# Altium PCB Evaluation Board.PcbDoc (part 3 of 22)
Units mm, origin at the board's own origin, x right, y up, seen from the top; angles counter-clockwise.
Board outline 200 x 200 mm, 4 copper layers (Top Layer, GND, Power, Bottom Layer), stack 1.56 mm thick; 639 components, 758 nets, 3043 pads, 1306 vias.
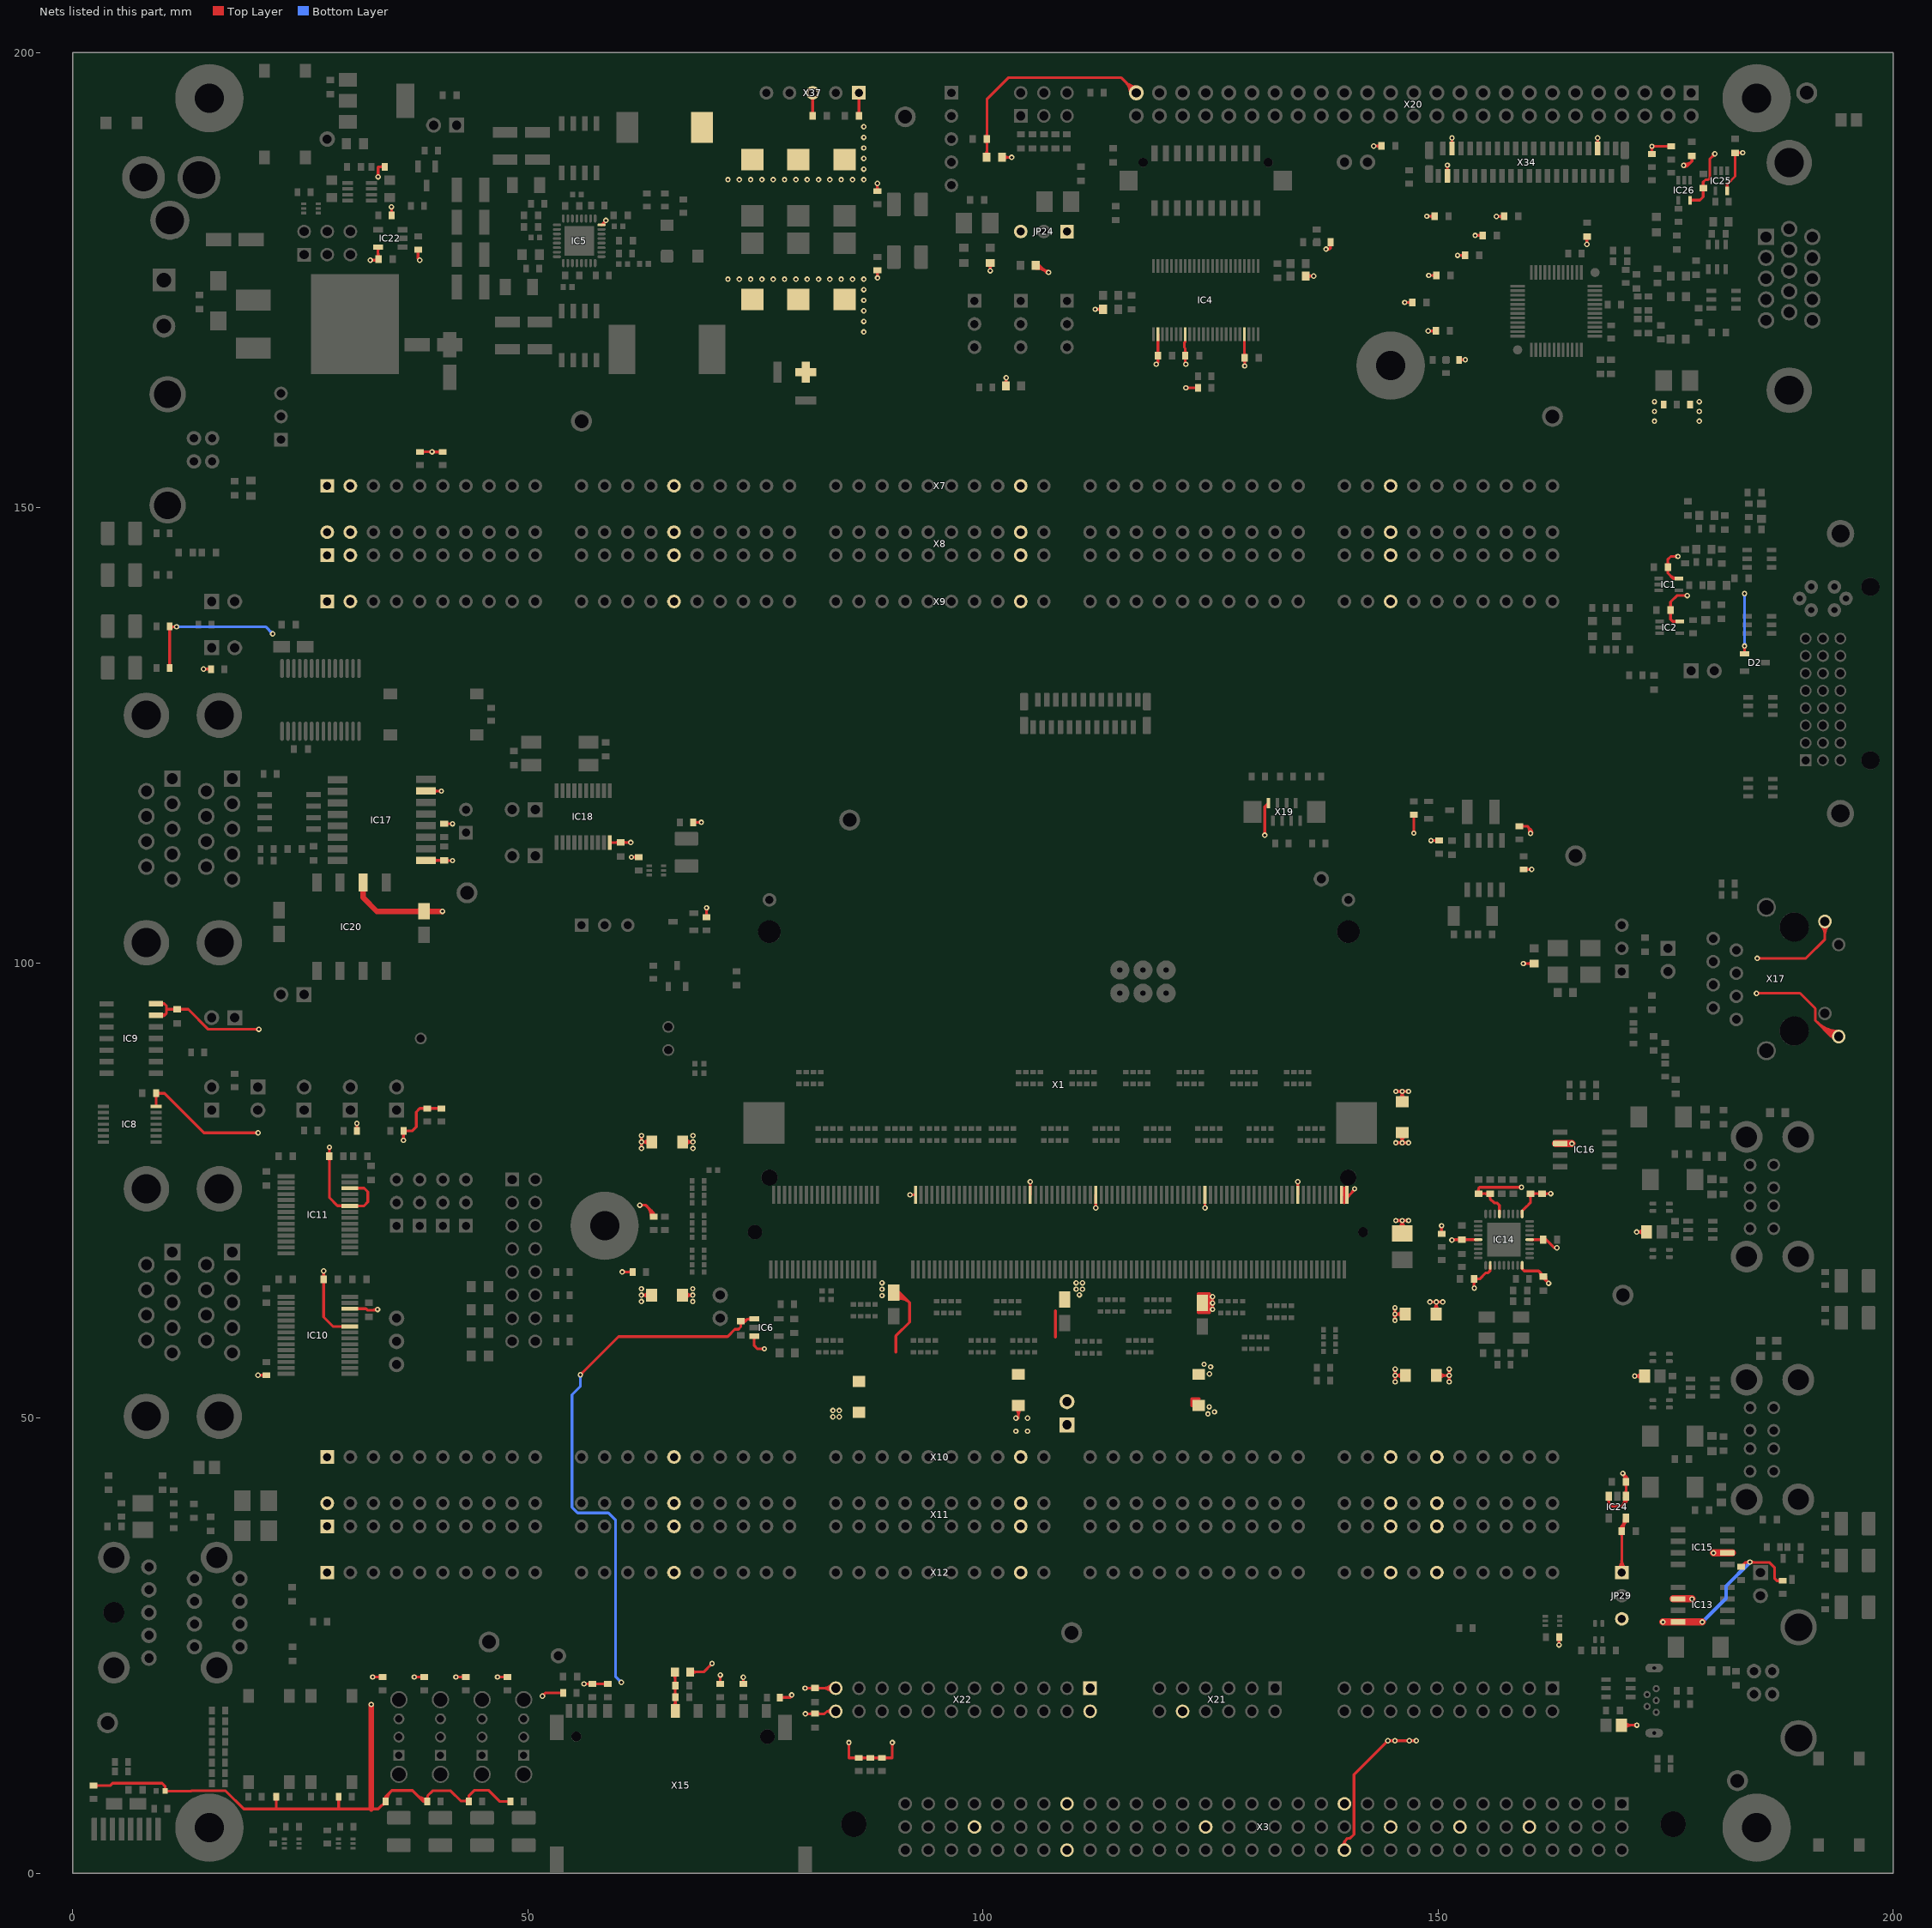
[diagram p5: the nets of this part, all layers, seen from the top]

## Part data (continued)
X2 X25: library part CON-NorComp-178-009-613R571, "RS232 Connector 9 pins male"
X3: library part CON-Auk-UC3X32SD-H, "Header Female 3x32 pin 2.54mm"
X4: library part CON-Samtec-SSW-103-01-G-D, "Header Female, 2x3 Pins, 2.54mm pitch"
X5: "DVI Connector"
X6: library part CON-Hirose-FH12-24S-0.5SV(55)-0.5mm, "0.50mm Pitch FFC/FPC Vertical DVI Connector"
X7 X9 X10 X12: library part CON-Samtec-SSW-110-01-G-S, "Header 1x50 pin 2.54mm pitch"
X8 X11: library part CON-Samtec-TSW-110-07-G-D, "Header 2x50 pin 2.54mm pitch"
X13: library part CON-Sullins-SBH11-PBPC-D10-ST-GR, "Header shrouded male, 2x10 pin 2.54mm pitch"
X14: library part CON-Samtec-TSW-108-07-G-D, "Header Male, 2x8 Pins, 2.54mm pitch"
X15: library part CON-Cenlink-M90-03011-03YD, "SD/MMC Card Holder"
X16: library part CON-Samtec-TSW-103-07-G-D, "Header Male, 2x3 Pins, 2.54mm pitch"
X17: library part CON-Pulse-J00-0065NL, "RJ45 Connector"
X18: "LVDS Connector"
X19: library part CON-GCT-FFC2A30-08-T-L-0.5mm, "0.50mm Pitch FFC/FPC JTAG Connector Vertical"
X20: library part CON-Samtec-TSW-125-07-G-D, "Header, 2x25 Pins, 2.54 mm pitch"
X21: library part CON-Samtec-SSW-106-01-G-D, "Header Female, 2x6 Pins, 2.54 mm pitch"
X22: library part CON-Samtec-TSW-112-07-G-D, "Header male, 2x12 Pins, 2.54 mm pitch"
X23: library part CON-3M-961105-6404-AR, "Audio Header 5 pins 2.54mm"
X24: library part CON-AUK-HDR15SN-H, "15 pin male D-SUB connector"
X26: library part CON-AUK-PJ3X01RF04B-H, "3x Audiojack stereo, 3.5mm"
X27 X29: library part CON-FCI-61729-0010BLF, "USB Type B Connector"
X28: "JTAG Pogo pins"
X30: "Micro USB OTG Connector - TH - Vertical"
X31 X32: library part CON-MMMC-896-43-008-90-000000, "USB 2.0 double row, Type A"
X33: library part CON-AUK-TB5102PRB-H-1x2-50.8mm, "Power Connector"
X34: library part CON-Hirose-FH12-40S-0.5SV(55)-0.5mm, "0.50mm Pitch FFC/FPC Vertical RGB connector"
X35: library part CON-SWC-RAPC722X, "Power Jack"
X36: "Vishay TFDU4101 Infrared Transceiver"
X37: library part CON-Tyco-826936-5-1X4-2.54mm, "Header, 5-Pin"
X38: library part CON-Samtec-SSW-102-01-G-S, "Receptacle Female, 1x2 Pins, 2.54 mm pitch"

## Via types
v1: diameter 0.6, hole 0.3, Top Layer to Bottom Layer, 1222 vias
v2: diameter 0.6, hole 0.3, Top Layer to Bottom Layer, tented both sides, 84 vias

## Nets (pads, with @x,y where several pads share a name; then routed paths per layer and width w, separated by ;. In a path a pad name is that pad's centre, name@x,y a point inside that pad or via, vN(x,y) a via of type N, cw(c..) or ccw(c..) an arc to the next point about the centre after c; other vN are vias at no path point)
1.8V: C83.2 IC24.5 JP29.1 | length 12.2
  Top Layer w0.3: JP29.1@169.756,33.444 ccw(c168.731,34.469) 170.18,34.469 ccw(c171.629,34.469) JP29.1@170.604,33.444 ; C83.2@170.009,37.376 cw(c169.595,36.962) 170.18,36.962 ; C83.2@170.029,37.826 ccw(c169.799,38.13) 170.18,38.13 ; C83.2@170.051,37.652 cw(c170.655,37.742) 170.223,38.173 ; JP29.1@170.18,33.02 170.18,37.445 170.18,38.13 ; 170.18,37.107 cw(c170.56,37.107) C83.2@170.291,37.376 ; 170.18,38.077 ccw(c170.56,38.077) C83.2@170.291,37.808 ; C83.2@170.348,37.696 cw(c171.39,37.85) IC24.5@170.645,38.595 ; IC24.5@170.446,38.848 cw(c169.532,38.778) 170.18,38.13 ; IC24.5@170.645,39.014 IC24.5@170.645,38.595 ; 170.18,38.13 IC24.5@170.645,38.595
3.3V: C35.2 C36.2 C37.2 C38.2 C39.2 C40.2 C41.2 C42.2 C43.2 C44.2 C52.2 C53.2 C54.2 C62.1 C84.1 C85.1 C86.1 C97.1 C98.2 C99.2 C131.2 C132.2 C133.2 C134.2 C135.2 C136.2 C137.2 C138.2 C159.1 C160.2 C170.1 C173.2 C175.2 C177.2 IC4.2 IC4.8 IC4.21 IC5.8 IC6.3 IC8.14 IC9.13 IC9.14 IC10.23 IC10.26 IC11.23 IC11.26 IC13.4 IC14.5 IC14.10 IC14.15 IC14.23 IC14.29 IC14.36 IC17.1 IC17.7 IC18.20 IC22.5 IC24.1 IC24.3 JP24.1 JP25.1 JP29.3 L10.1 L13.1 L16.1 L17.1 L21.2 L25.2 L47.1 R14.1 R15.1 R27.2 R30.1 R31.1 R45.2 R46.2 R47.2 R48.2 R50.2 R51.2 R52.2 R53.2 R54.2 R55.2 R60.2 R63.1 R64.2 R65.1 R70.2 R71.1 R77.2 R84.2 R90.1 R101.2 R104.1 R105.1 R108.2 R118.2 R119.2 R120.2 R124.2 R127.2 R130.2 R135.2 R136.1 R137.1 R138.2 R139.2 R140.2 R141.2 R142.2 R143.2 R147.1 R152.2 R153.2 R155.2 R159.1 R160.1 R161.1 R162.1 R163.1 R164.1 R165.1 R166.1 R167.1 R168.2 R169.2 R170.2 R174.1 R177.2 R178.2 X3.A13 X3.B5 X3.B8 X3.B11 X3.C13 X7.1 X7.2 X7.15 X7.29 X7.43 X8.A1 X8.A2 X8.A15 X8.A29 X8.A43 X8.B1 X8.B2 X8.B15 X8.B29 X8.B43 X9.1 X9.2 X9.15 X9.29 X9.43 X10.1 X10.15 X10.29 X10.43 X10.45 X11.A1 X11.A15 X11.A29 X11.A43 X11.A45 X11.B1 X11.B15 X11.B29 X11.B43 X11.B45 X12.1 X12.15 X12.29 X12.43 X12.45 X17.9 X17.12 X19.8 X21.10 X22.1 X22.2 X22.23 X34.3 X34.4 X34.36 X37.3 | length 532.5
  Top Layer w0.3: R147.1@2.278,9.615 4.09,9.615 4.35,9.875 9.8,9.875 10.124,9.551 R174.1@10.124,9.019 12.994,9.019 13.025,9.05 16.775,9.05 18.775,7.05 29.2,7.05 ; R147.1@2.502,9.491 cw(c2.801,9.193) 2.801,9.615 cw(c2.801,10.037) R147.1@2.502,9.739 ; C177.2@9.002,85.459 cw(c8.661,85.117) 9.144,85.117 cw(c9.627,85.117) C177.2@9.285,85.459 ; IC9.14@9.105,95.509 10.038,95.509 10.272,95.275 10.272,94.45 ; IC8.14@9.144,84.225 C177.2@9.144,85.675 10.056,85.675 ; IC9.13@9.166,94.178 10,94.178 ; C177.2@9.285,85.534 cw(c9.627,85.192) 9.627,85.675 cw(c9.627,86.158) C177.2@9.285,85.816 ; IC9.13@9.655,94.369 ccw(c9.91,94.811) 10.272,94.45 ; IC9.14@9.686,95.403 cw(c9.942,95.147) 9.942,95.509 cw(c9.942,95.871) IC9.14@9.686,95.615 ; IC9.13@9.7,94.329 ccw(c10,94.552) 10,94.178 ; R174.1@10.029,9.139 ccw(c9.798,9.37) 10.124,9.37 ccw(c10.45,9.37) R174.1@10.219,9.139 ; 10.062,85.669 10.056,85.675 ; R174.1@10.219,8.924 cw(c10.45,8.693) 10.45,9.019 cw(c10.45,9.345) R174.1@10.219,9.114 ; 10.272,94.9 C97.1@11.447,94.9 12.675,94.9 14.875,92.7 v1(20.425,92.7) ; R104.1@10.507,132.628 ccw(c10.209,132.927) 10.631,132.927 ccw(c11.054,132.927) R104.1@10.755,132.628 ; R105.1@10.507,136.752 cw(c10.209,136.454) 10.631,136.454 cw(c11.054,136.454) 10.755,136.752 cw(c11.171,136.336) v1@11.171,136.925 ; R104.1@10.631,132.404 R105.1@10.631,136.976 10.682,136.925 v1(11.375,136.925) ; C97.1@11.231,94.759 ccw(c10.889,94.417) 10.889,94.9 ccw(c10.889,95.383) C97.1@11.231,95.041 ; C97.1@11.663,94.759 cw(c12.005,94.417) 12.005,94.9 cw(c12.005,95.383) C97.1@11.663,95.041 ; v1@20.244,81.219 ccw(c19.988,80.963) 19.988,81.325 ccw(c19.988,81.687) v1@20.244,81.431 ; v1@20.319,92.594 ccw(c20.063,92.338) 20.063,92.7 ccw(c20.063,93.062) v1@20.319,92.806 ; v1@20.346,54.706 R63.1@21.247,54.706 ; v1(20.35,81.325) 14.4,81.325 10.056,85.669 10.056,85.675 ; R63.1@21.023,54.582 ccw(c20.724,54.283) 20.724,54.706 ccw(c20.724,55.128) R63.1@21.023,54.83 ; R153.2@22.175,8.545 R153.2@22.338,8.382 22.338,7.05 ; R153.2@22.214,8.158 cw(c21.915,7.86) 22.338,7.86 cw(c22.76,7.86) R153.2@22.462,8.158 ; C98.2@27.415,65.026 cw(c27.073,64.685) 27.556,64.685 cw(c28.039,64.685) C98.2@27.697,65.026 ; C98.2@27.415,65.459 ccw(c27.073,65.801) 27.556,65.801 ccw(c28.039,65.801) C98.2@27.697,65.459 ; v1(27.556,66.15) 27.556,61.085 28.586,60.056 IC10.23@30.419,60.056 ; C99.2@28.015,78.524 cw(c27.613,78.122) 28.181,78.122 ; C99.2@28.015,78.956 ccw(c27.613,79.358) 28.181,79.358 ; v1@28.075,79.648 cw(c27.819,79.392) 28.181,79.392 cw(c28.543,79.392) v1@28.287,79.648 ; 28.181,78.242 cw(c28.579,78.242) C99.2@28.297,78.524 ; 28.181,79.238 ccw(c28.579,79.238) C99.2@28.297,78.956 ; v1(28.181,79.754) 28.181,74.203 29.068,73.316 IC11.23@30.419,73.316 ; R130.2@29.072,8.158 cw(c28.773,7.859) 29.196,7.859 cw(c29.618,7.859) R130.2@29.32,8.158 ; R130.2@29.196,8.382 29.196,7.054 29.2,7.05 ; 29.487,73.316 cw(c29.487,73.063) IC11.23@29.666,73.242 ; IC10.26@30.419,62.006 31.819,62.006 31.825,62 32.2,62 32.35,61.85 33.4,61.85 v1(33.475,61.925) ; IC11.23@30.419,73.295 31.97,73.295 32.4,73.725 32.4,74.848 32.003,75.245 IC11.26@30.419,75.245 ; R64.2@31.081,81.758 ccw(c30.783,82.056) 31.205,82.056 ccw(c31.628,82.056) R64.2@31.329,81.758 ; v1(31.2,82.375) 31.202,82.375 31.205,82.372 R64.2@31.205,81.534 ; v1(32.675,177.2) 33.499,177.2 C170.1@33.591,177.292 33.524,177.359 IC22.5@33.524,178.628 ; v1(32.775,18.525) v1(32.775,18.525) ; v1@32.781,177.094 cw(c33.037,176.838) 33.037,177.2 cw(c33.037,177.562) v1@32.781,177.306 ; v1(32.931,21.553) R152.2@34.036,21.553 ; 32.932,61.85 ccw(c32.932,62.468) v1@33.369,62.031 ; v1@33.037,21.447 cw(c33.293,21.191) 33.293,21.553 cw(c33.293,21.915) v1@33.037,21.659 ; 33.067,177.2 ccw(c33.067,177.741) C170.1@33.45,177.358 ; 33.149,177.2 cw(c33.149,176.775) C170.1@33.45,177.076 ; IC22.5@33.418,178.522 cw(c33.162,178.266) 33.524,178.266 cw(c33.886,178.266) IC22.5@33.63,178.522 ; v1@33.419,186.456 ccw(c33.163,186.712) 33.525,186.712 ccw(c33.887,186.712) v1@33.631,186.456 ; 33.524,178.012 ccw(c34.236,178.012) C170.1@33.733,177.508 ; v1(33.525,186.35) 33.525,187.4 33.577,187.452 R137.1@34.253,187.452 ; R152.2@33.812,21.429 ccw(c33.514,21.131) 33.514,21.553 ccw(c33.514,21.976) R152.2@33.812,21.677 ; 33.895,7.405 cw(c34.364,6.935) R127.2@34.364,7.599 ; R137.1@34.129,187.328 ccw(c33.831,187.03) 33.831,187.452 ccw(c33.831,187.874) R137.1@34.129,187.576 ; R127.2@34.239,7.974 cw(c34.999,7.974) 34.462,8.512 ; R127.2@34.24,8.098 ccw(c33.941,8.396) 34.364,8.396 ccw(c34.786,8.396) R127.2@34.488,8.098 ; R127.2@34.539,7.974 cw(c36.024,7.974) 34.974,9.024 ; R136.1@34.891,182.342 ccw(c34.593,182.64) 35.015,182.64 ccw(c35.438,182.64) R136.1@35.139,182.342 ; v1(35,183.05) 35.015,183.035 R136.1@35.015,182.118 ; 35.015,182.724 cw(c35.326,182.724) v1@35.106,182.944 ; R65.1@36.197,81.31 cw(c35.899,81.012) 36.321,81.012 cw(c36.744,81.012) R65.1@36.445,81.31 ; v1@36.215,80.611 ccw(c35.959,80.867) 36.321,80.867 ccw(c36.683,80.867) v1@36.427,80.611 ; v1(36.321,80.505) R65.1@36.321,81.534 37.262,81.534 37.719,81.991 37.719,83.617 38.114,84.012 R177.2@40.462,84.012 ; R65.1@36.445,81.41 cw(c36.744,81.112) 36.744,81.534 cw(c36.744,81.956) R65.1@36.445,81.658 ; v1(37.503,21.553) R138.2@38.608,21.553 ; v1@37.609,21.447 cw(c37.865,21.191) 37.865,21.553 cw(c37.865,21.915) v1@37.609,21.659 ; 37.724,8.651 ccw(c38.936,9.863) R124.2@38.936,8.149 ; R77.2@37.798,178.221 cw(c37.5,177.922) 37.922,177.922 cw(c38.345,177.922) R77.2@38.046,178.221 ; R77.2@37.922,178.345 37.922,177.378 v1(38.1,177.2) ; R169.2@38.151,156.134 v1(39.458,156.134) ; 38.236,8.139 ccw(c38.936,8.839) R124.2@38.936,7.849 ; R169.2@38.349,155.998 cw(c38.676,155.672) 38.676,156.134 ; R169.2@38.349,156.246 ccw(c38.62,156.517) 38.62,156.134 ; R138.2@38.384,21.429 ccw(c38.086,21.131) 38.086,21.553 ccw(c38.086,21.976) R138.2@38.384,21.677 ; R178.2@38.714,83.888 ccw(c38.416,83.589) 38.416,84.012 ccw(c38.416,84.434) R178.2@38.714,84.135 ; IC17.1@38.783,111.262 C160.2@40.768,111.262 ; IC17.7@38.783,118.872 v1(40.486,118.872) ; R124.2@38.812,7.75 ccw(c38.513,7.452) 38.513,7.874 ccw(c38.513,8.296) R124.2@38.812,7.998 ; R124.2@38.812,8.098 ccw(c38.419,8.491) 38.975,8.491 ; 38.975,8.302 ccw(c39.264,8.302) R124.2@39.06,8.098 ; R178.2@39.162,83.888 cw(c39.461,83.589) 39.461,84.012 cw(c39.461,84.434) R178.2@39.162,84.135 ; v1@39.352,156.028 ccw(c39.096,155.772) 39.096,156.134 ccw(c39.096,156.496) v1@39.352,156.24 ; v1@39.469,156.122 R170.2@40.64,156.122 ; v1@39.564,156.028 cw(c39.792,155.8) 39.792,156.122 ; v1@39.564,156.24 ccw(c39.848,156.524) 39.848,156.122 ; IC17.1@39.66,111.085 cw(c40.086,110.658) 40.086,111.262 cw(c40.086,111.866) IC17.1@39.66,111.439 ; IC17.7@39.66,118.705 cw(c40.062,118.303) 40.062,118.872 ; IC17.7@39.66,119.059 ccw(c40.11,119.51) 40.11,118.872 ; 40.177,111.262 cw(c40.177,110.701) C160.2@40.574,111.098 ; R177.2@40.238,83.888 ccw(c39.94,83.589) 39.94,84.012 ccw(c39.94,84.434) R177.2@40.238,84.135 ; 40.288,111.262 ccw(c40.288,111.666) C160.2@40.574,111.38 ; v1@40.38,118.766 ccw(c40.124,118.51) 40.124,118.872 ccw(c40.124,119.234) v1@40.38,118.978 ; R170.2@40.416,155.998 ccw(c40.118,155.7) 40.118,156.122 ccw(c40.118,156.545) R170.2@40.416,156.246 ; C160.2@40.791,111.239 v1(41.705,111.239) ; R108.2@40.791,115.279 v1(41.705,115.279) ; C160.2@41.007,111.098 cw(c41.349,110.756) 41.349,111.239 cw(c41.349,111.722) C160.2@41.007,111.38 ; R108.2@41.015,115.155 cw(c41.313,114.857) 41.313,115.279 cw(c41.313,115.702) R108.2@41.015,115.403 ; v1(42.075,21.553) R135.2@43.18,21.553 ; v1@42.181,21.447 cw(c42.437,21.191) 42.437,21.553 cw(c42.437,21.915) v1@42.181,21.659 ; R135.2@42.956,21.429 ccw(c42.658,21.131) 42.658,21.553 ccw(c42.658,21.976) R135.2@42.956,21.677 ; 42.967,7.925 ccw(c42.967,8.515) 43.384,8.098 ccw(c43.085,8.396) 43.508,8.396 ccw(c43.93,8.396) R120.2@43.632,8.098 ; R120.2@43.346,8.04 cw(c43.175,8.109) 43.175,7.925 ; v1(46.647,21.553) R119.2@47.752,21.553 ; v1@46.753,21.447 cw(c47.009,21.191) 47.009,21.553 cw(c47.009,21.915) v1@46.753,21.659 ; R119.2@47.528,21.429 ccw(c47.23,21.131) 47.23,21.553 ccw(c47.23,21.976) R119.2@47.528,21.677 ; R118.2@47.956,7.75 ccw(c47.657,7.452) 47.657,7.874 ccw(c47.657,8.296) R118.2@47.956,7.998 ; R118.2@48.08,7.874 46.926,7.874 45.7,9.1 44.075,9.1 43.508,8.533 R120.2@43.508,7.874 43.226,7.874 43.175,7.925 ; v1(51.575,19.45) 51.937,19.812 R60.2@53.885,19.812 ; v1@51.575,19.6 ccw(c51.575,19.962) 51.831,19.706 ccw(c52.087,19.45) v1@51.725,19.45 ; R60.2@53.761,19.688 ccw(c53.463,19.389) 53.463,19.812 ccw(c53.463,20.234) R60.2@53.761,19.936 ; v1(56.15,20.791) R53.2@57.056,20.791 R54.2@58.756,20.791 ; R53.2@56.832,20.667 ccw(c56.534,20.369) 56.534,20.791 ccw(c56.534,21.213) R53.2@56.832,20.915 ; R53.2@57.28,20.667 cw(c57.578,20.369) 57.578,20.791 cw(c57.578,21.213) R53.2@57.28,20.915 ; IC5.8@58.076,181.074 v1@58.553,181.551 ; IC5.8@58.077,181.052 cw(c58.124,181.055) IC5.8@58.091,181.089 ; IC5.8@58.376,181.074 cw(c58.984,181.12) v1@58.553,181.551 ; R54.2@58.532,20.667 ccw(c58.234,20.369) 58.234,20.791 ccw(c58.234,21.213) R54.2@58.532,20.915 ; v1(58.553,181.559) v1@58.553,181.551 ; IC18.20@58.991,113.228 C159.1@60.198,113.228 v1(61.29,113.228) ; C159.1@59.982,113.087 ccw(c59.64,112.745) 59.64,113.228 ccw(c59.64,113.711) C159.1@59.982,113.369 ; v1(60.344,66.05) R155.2@61.505,66.05 ; C159.1@60.414,113.087 cw(c60.756,112.745) 60.756,113.228 cw(c60.756,113.711) C159.1@60.414,113.369 ; v1@60.45,65.944 cw(c60.706,65.688) 60.706,66.05 cw(c60.706,66.412) v1@60.45,66.156 ; v1@61.184,113.122 ccw(c60.928,112.866) 60.928,113.228 ccw(c60.928,113.59) v1@61.184,113.334 ; v1(61.366,111.608) 61.372,111.613 R55.2@62.151,111.613 ; R155.2@61.381,65.926 ccw(c61.083,65.628) 61.083,66.05 ccw(c61.083,66.472) R155.2@61.381,66.174 ; R55.2@61.927,111.489 ccw(c61.629,111.191) 61.629,111.613 ccw(c61.629,112.035) R55.2@61.927,111.737 ; v1(62.281,73.381) 62.951,73.381 63.8,72.531 R168.2@63.8,72.099 ; v1@62.372,79.731 ccw(c62.116,79.987) 62.478,79.987 ccw(c62.84,79.987) v1@62.584,79.731 ; v1@62.372,80.219 cw(c62.116,79.963) 62.478,79.963 cw(c62.84,79.963) 62.584,80.219 cw(c62.84,79.963) 62.84,80.325 cw(c62.84,80.687) 62.584,80.431 cw(c62.84,80.687) 62.478,80.687 cw(c62.116,80.687) v1@62.372,80.431 ; v1@62.372,80.919 cw(c62.116,80.663) 62.478,80.663 cw(c62.84,80.663) v1@62.584,80.919 ; v1@62.387,73.275 cw(c62.643,73.018) 62.643,73.381 cw(c62.643,73.743) v1@62.387,73.487 ; v1(62.456,63.5) R165.1@63.832,63.5 ; v1(62.478,79.625) v1(62.478,80.325) ; v1(62.478,81.025) v1(62.478,80.325) ; v1@62.562,63.394 cw(c62.818,63.138) 62.818,63.5 cw(c62.818,63.862) v1@62.562,63.606 ; 63.025,73.307 cw(c61.817,72.099) R168.2@63.525,72.099 ; R165.1@63.26,63.182 ccw(c62.492,62.414) 62.492,63.5 ccw(c62.492,64.586) R165.1@63.26,63.818 ; R166.1@63.282,80.007 ccw(c62.514,79.239) 62.514,80.325 ccw(c62.514,81.411) R166.1@63.282,80.643 ; 63.537,72.794 cw(c62.841,72.099) R168.2@63.825,72.099 ; R166.1@63.6,80.325 v1(62.478,80.325) ; R168.2@63.676,72.223 ccw(c63.378,72.521) 63.8,72.521 ccw(c64.222,72.521) R168.2@63.924,72.223 ; L25.2@67.776,22.098 69.298,22.098 v1(70.225,23.025) ; L25.2@68.018,21.896 cw(c68.504,21.41) 68.504,22.098 cw(c68.504,22.786) L25.2@68.018,22.3 ; R139.2@68.137,115.443 v1(69.051,115.443) ; R139.2@68.26,115.319 cw(c68.559,115.021) 68.559,115.443 cw(c68.559,115.865) R139.2@68.26,115.567 ; v1@68.945,115.337 ccw(c68.689,115.081) 68.689,115.443 ccw(c68.689,115.805) v1@68.945,115.549 ; R167.1@69.498,105.145 ccw(c69.199,105.444) 69.621,105.444 ccw(c70.044,105.444) R167.1@69.745,105.145 ; v1@69.515,105.944 cw(c69.259,105.688) 69.621,105.688 cw(c69.984,105.688) v1@69.727,105.944 ; R167.1@69.621,105.021 v1(69.621,106.05) ; v1@70.075,23.025 cw(c69.713,23.025) 69.969,22.769 cw(c70.225,22.513) v1@70.225,22.875 ; R50.2@70.996,20.915 ccw(c70.697,21.213) 71.12,21.213 ccw(c71.542,21.213) R50.2@71.244,20.915 ; v1@71.019,21.669 cw(c70.775,21.425) 71.12,21.425 ; R50.2@71.12,20.791 71.12,21.77 v1(71.125,21.775) ; 71.12,21.401 cw(c71.499,21.401) v1@71.231,21.669 ; R51.2@73.536,20.915 ccw(c73.238,21.213) 73.66,21.213 ccw(c74.082,21.213) R51.2@73.784,20.915 ; v1(73.65,21.525) 73.66,21.515 R51.2@73.66,20.791 ; IC6.3@74.744,58.888 cw(c74.488,58.632) 74.85,58.632 cw(c75.212,58.632) IC6.3@74.956,58.888 ; IC6.3@74.85,58.994 74.85,57.95 75.2,57.6 v1(75.975,57.6) ; v1@75.869,57.494 ccw(c75.613,57.238) 75.613,57.6 ccw(c75.613,57.962) v1@75.869,57.706 ; R52.2@77.687,19.304 78.829,19.304 78.975,19.45 v1(78.975,19.575) ; R52.2@77.811,19.18 cw(c78.109,18.882) 78.109,19.304 cw(c78.109,19.726) R52.2@77.811,19.428 ; 78.683,19.304 ccw(c78.683,19.867) v1@79.081,19.469 ; v1(80.442,20.32) C173.2@81.547,20.32 ; v1@80.548,20.214 cw(c80.804,19.958) 80.804,20.32 cw(c80.804,20.682) v1@80.548,20.426 ; 80.945,20.32 ccw(c80.945,20.847) C173.2@81.318,20.474 ; 81.008,20.32 cw(c81.008,19.882) C173.2@81.318,20.192 ; C62.1@81.126,193.256 ccw(c80.753,193.629) 81.28,193.629 ; C62.1@81.28,193.053 X37.3@81.28,195.58 ; 81.28,193.566 ccw(c81.718,193.566) C62.1@81.408,193.256 ; C173.2@81.534,20.333 C173.2@81.547,20.32 ; C173.2@81.75,20.192 cw(c82.06,19.882) 82.06,20.32 ; C173.2@81.75,20.474 ccw(c82.123,20.847) 82.123,20.32 ; X22.23@83.396,19.896 ccw(c82.371,18.871) 82.371,20.32 ccw(c82.371,21.769) X22.23@83.396,20.744 ; X22.23@83.82,20.32 C173.2@81.547,20.32 ; v1@85.149,14.244 cw(c84.893,13.988) 85.255,13.988 cw(c85.617,13.988) v1@85.361,14.244 ; v1@85.255,14.33 85.255,12.663 R143.2@86.36,12.663 R142.2@87.63,12.663 R141.2@88.9,12.663 90.005,12.663 90.025,12.683 v1(90.025,14.35) ; R143.2@86.136,12.539 ccw(c85.838,12.241) 85.838,12.663 ccw(c85.838,13.086) R143.2@86.136,12.787 ; R143.2@86.584,12.539 cw(c86.882,12.241) 86.882,12.663 cw(c86.882,13.086) R143.2@86.584,12.787 ; v1@86.893,191.821 v1@86.944,191.872 ; R142.2@87.406,12.539 ccw(c87.108,12.241) 87.108,12.663 ccw(c87.108,13.086) R142.2@87.406,12.787 ; R142.2@87.854,12.539 cw(c88.152,12.241) 88.152,12.663 cw(c88.152,13.086) R142.2@87.854,12.787 ; R31.1@88.268,184.9 ccw(c87.994,185.174) 88.382,185.174 ; v1@88.286,185.52 cw(c88.054,185.288) 88.382,185.288 ; R31.1@88.382,184.769 88.382,185.616 v1(88.392,185.626) ; 88.382,185.223 ccw(c88.839,185.223) R31.1@88.516,184.9 ; R141.2@88.676,12.539 ccw(c88.378,12.241) 88.378,12.663 ccw(c88.378,13.086) R141.2@88.676,12.787 ; R141.2@89.124,12.539 cw(c89.422,12.241) 89.422,12.663 cw(c89.422,13.086) R141.2@89.124,12.787 ; v1@89.919,14.244 cw(c89.663,13.988) 90.025,13.988 cw(c90.387,13.988) v1@90.131,14.244 ; L47.1@102.038,188.488 v1(103.137,188.488) ; L47.1@102.28,188.286 cw(c102.766,187.8) 102.766,188.488 cw(c102.766,189.176) L47.1@102.28,188.69 ; v1@103.031,188.382 ccw(c102.775,188.126) 102.775,188.488 ccw(c102.775,188.85) v1@103.031,188.594 ; R163.1@103.568,51.068 cw(c102.8,50.3) 103.886,50.3 cw(c104.972,50.3) R163.1@104.204,51.068 ; v1@103.706,49.844 ccw(c103.272,50.278) 103.886,50.278 ; v1@103.886,49.961 R163.1@103.886,51.386 ; L13.1@105.779,176.587 cw(c105.839,175.649) 106.503,176.314 ; L13.1@105.78,176.637 106.18,176.637 v1@106.973,175.844 ; L13.1@105.798,176.288 cw(c105.895,174.766) v1@106.973,175.844 ; 106.564,176.253 ccw(c107.188,176.876) v1@107.188,175.994 ; v1(107.188,175.844) v1@106.973,175.844 ; v1(112.32,171.793) L17.1@113.221,171.793 ; L17.1@112.979,171.591 ccw(c112.493,171.105) 112.493,171.793 ccw(c112.493,172.481) L17.1@112.979,171.994 ; v1(119.024,165.76) 119.21,165.946 C54.2@119.21,166.726 IC4.2@119.21,169.046 ; C54.2@119.069,166.509 cw(c118.727,166.168) 119.21,166.168 cw(c119.693,166.168) C54.2@119.351,166.509 ; C54.2@119.069,166.942 ccw(c118.727,167.283) 119.21,167.283 ccw(c119.693,167.283) C54.2@119.351,166.942 ; C53.2@122.069,166.509 cw(c121.727,166.168) 122.21,166.168 cw(c122.693,166.168) C53.2@122.351,166.509 ; C53.2@122.069,166.942 ccw(c121.727,167.283) 122.21,167.283 ccw(c122.693,167.283) C53.2@122.351,166.942 ; IC4.8@122.21,168.446 cw(c121.849,168.37) 122.11,168.109 ; IC4.8@122.21,169.046 122.21,168.209 122.11,168.109 ; v1(122.275,163.175) 123.634,163.175 R27.2@123.639,163.17 ; v1(122.276,165.76) 122.21,165.826 C53.2@122.21,166.726 122.21,167.502 122.11,167.602 122.11,168.109 ; v1@122.381,163.069 cw(c122.637,162.813) 122.637,163.175 cw(c122.637,163.537) v1@122.381,163.281 ; 122.936,51.349 122.936,52.106 123.741,52.106 ; 123.203,163.175 cw(c123.203,162.734) R27.2@123.515,163.046 ; 123.23,163.175 ccw(c123.23,163.579) R27.2@123.515,163.293 ; C52.2@128.604,166.255 cw(c128.262,165.914) 128.745,165.914 cw(c129.228,165.914) C52.2@128.886,166.255 ; C52.2@128.604,166.688 ccw(c128.347,166.945) 128.71,166.945 ; 128.71,167.114 ccw(c129.312,167.114) C52.2@128.886,166.688 ; IC4.21@128.71,169.046 128.71,166.507 C52.2@128.745,166.472 v1(128.745,165.571) ; v1@130.844,114.131 ccw(c130.588,114.387) 130.95,114.387 ccw(c131.312,114.387) v1@131.056,114.131 ; v1(130.95,114.025) 130.95,117.165 X19.8@131.346,117.561 ; L16.1@135.42,175.454 v1(136.321,175.454) ; L16.1@135.662,175.252 cw(c136.148,174.766) 136.148,175.454 cw(c136.148,176.142) L16.1@135.662,175.655 ; v1(137.675,178.4) 138.05,178.4 138.165,178.515 ; v1@137.778,178.509 ccw(c137.968,178.712) 138.165,178.515 ; v1@137.781,178.294 cw(c138.037,178.038) 138.037,178.4 cw(c138.037,178.762) v1@137.781,178.506 ; R30.1@138.041,178.948 cw(c137.742,178.649) 138.165,178.649 cw(c138.587,178.649) R30.1@138.289,178.948 ; R30.1@138.165,179.172 138.165,178.515 ; X3.C13@139.448,3.084 ccw(c139.264,3.48) 139.7,3.48 ; X3.C13@139.7,2.54 139.7,3.48 ; X3.C13@139.952,3.084 cw(c140.136,3.48) 139.7,3.48 ; v1(142.921,189.735) 142.924,189.738 C40.2@143.751,189.738 ; C40.2@143.61,189.597 ccw(c143.268,189.255) 143.268,189.738 ccw(c143.268,190.221) C40.2@143.61,189.879 ; v1@144.325,14.55 cw(c143.963,14.55) 144.219,14.294 cw(c144.475,14.038) v1@144.475,14.4 ; v1@144.581,14.444 cw(c144.837,14.188) 144.837,14.55 cw(c144.837,14.912) v1@144.581,14.656 ; v1@145.144,14.444 ccw(c144.888,14.188) 144.888,14.55 ccw(c144.888,14.912) v1@145.144,14.656 ; v1(145.35,85.88) v1(146.05,85.88) ; v1@145.356,14.444 cw(c145.612,14.188) 145.612,14.55 cw(c145.612,14.912) v1@145.356,14.656 ; v1@145.456,85.774 cw(c145.712,85.518) 145.712,85.88 cw(c145.712,86.242) v1@145.456,85.986 ; R159.1@145.732,85.076 ccw(c144.964,85.844) 146.05,85.844 ccw(c147.136,85.844) R159.1@146.368,85.076 ; v1@145.944,85.986 cw(c145.688,86.242) 145.688,85.88 cw(c145.688,85.518) 145.944,85.774 cw(c145.688,85.518) 146.05,85.518 cw(c146.412,85.518) 146.156,85.774 cw(c146.412,85.518) 146.412,85.88 cw(c146.412,86.242) v1@146.156,85.986 ; R159.1@146.05,84.758 v1(146.05,85.88) ; v1(146.325,172.55) 146.328,172.553 C43.2@147.155,172.553 ; v1@146.644,85.774 ccw(c146.388,85.518) 146.388,85.88 ccw(c146.388,86.242) v1@146.644,85.986 ; v1@146.719,14.444 ccw(c146.463,14.188) 146.463,14.55 ccw(c146.463,14.912) v1@146.719,14.656 ; v1(146.75,85.88) v1(146.05,85.88) ; v1@146.931,14.444 cw(c147.187,14.188) 147.187,14.55 cw(c147.187,14.912) v1@146.931,14.656 ; C43.2@147.014,172.412 ccw(c146.672,172.07) 146.672,172.553 ccw(c146.672,173.036) C43.2@147.014,172.694 ; R48.2@147.196,116.158 cw(c146.885,115.847) 147.325,115.847 ; v1@147.219,114.356 ccw(c146.963,114.612) 147.325,114.612 ccw(c147.687,114.612) v1@147.431,114.356 ; v1(147.325,114.25) R48.2@147.325,116.325 ; 147.325,115.871 cw(c147.73,115.871) R48.2@147.444,116.158 ; v1@147.494,14.444 ccw(c147.238,14.188) 147.238,14.55 ccw(c147.238,14.912) v1@147.494,14.656 ; v1@147.65,14.55 v1(146.825,14.55) v1(145.25,14.55) v1(144.475,14.55) 140.75,10.825 140.75,4.25 140.335,3.835 140.056,3.835 139.7,3.48 ; v1@148.755,182.026 C35.2@149.582,182.026 ; v1(148.908,169.415) 148.911,169.418 C36.2@149.738,169.418 ; v1@148.971,175.526 C42.2@149.798,175.526 ; 149.064,182.026 cw(c149.064,181.478) C35.2@149.452,181.866 ; v1(149.1,62.747) v1(149.8,62.747) ; 149.156,182.026 ccw(c149.156,182.444) C35.2@149.452,182.148 ; v1@149.206,62.641 cw(c149.462,62.385) 149.462,62.747 cw(c149.462,63.109) v1@149.206,62.853 ; v1(149.213,113.436) R47.2@150.114,113.436 ; R160.1@149.456,61.836 ccw(c148.625,62.667) v1@149.8,62.667 ; C36.2@149.597,169.277 ccw(c149.255,168.935) 149.255,169.418 ccw(c149.255,169.901) C36.2@149.597,169.559 ; C42.2@149.657,175.385 ccw(c149.315,175.043) 149.315,175.526 